# Altium PCB hdu_shape.PcbDoc
Units mil, origin at the board's own origin, x right, y up, seen from the top; angles counter-clockwise.
Board outline 3825 x 1180 mil, 2 copper layers (Top Layer, Bottom Layer); 63 components, 39 nets, 159 pads, 442 vias.
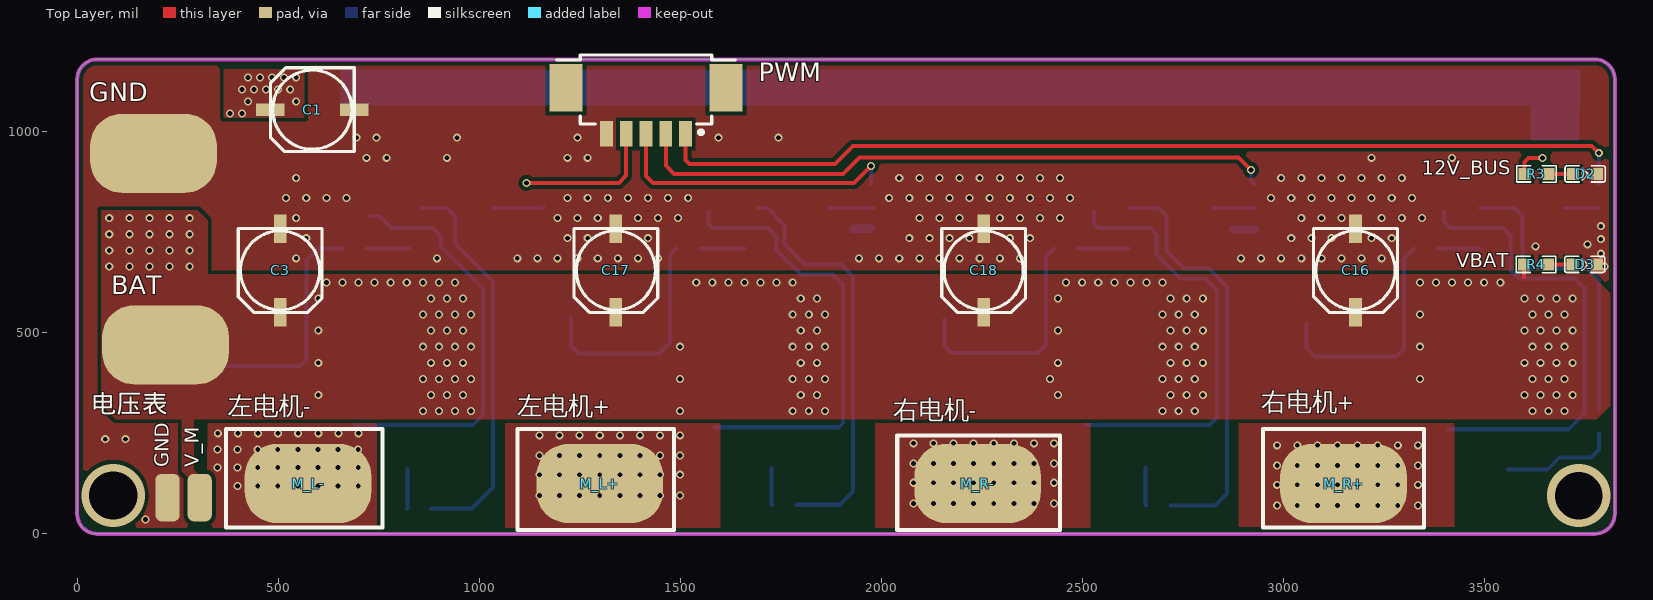
[diagram p0: Top Layer view]
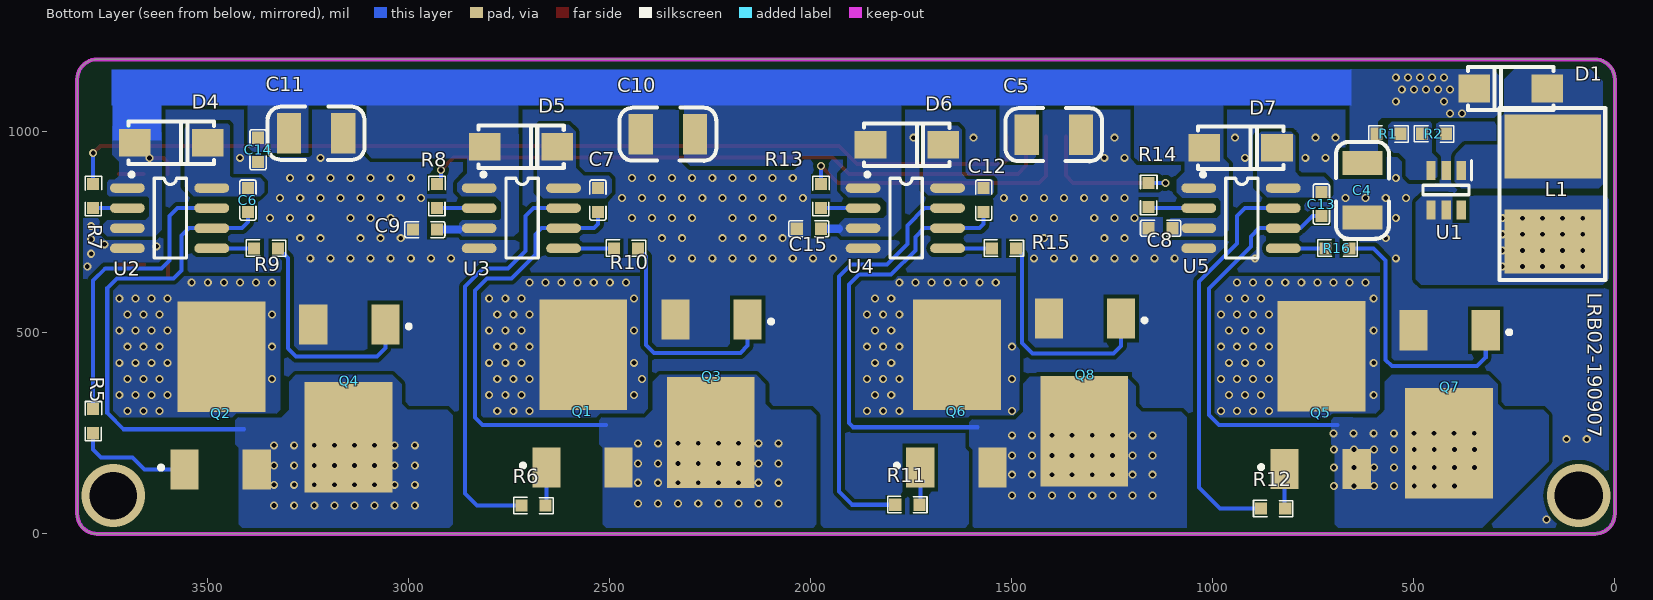
[diagram p1: Bottom Layer view, seen from below]
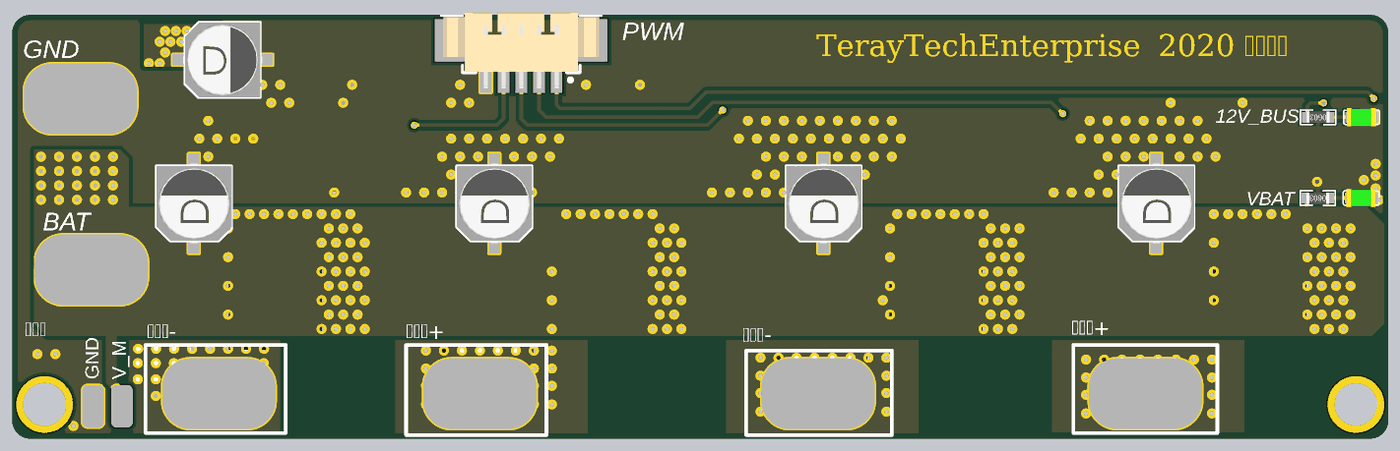
[diagram p2: 3D render of the assembled board from above, using the file's embedded part models]
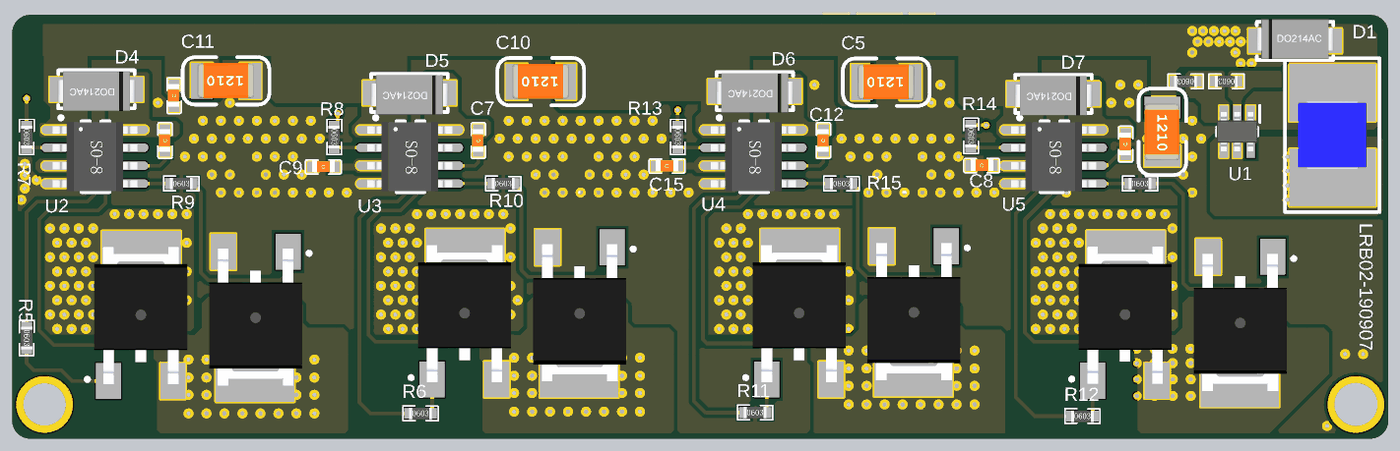
[diagram p3: 3D render of the assembled board from below, using the file's embedded part models]

## Layer stack, top to bottom
Top Solder: solder mask 0.4, Solder Resist, Dk 3.5
Top Layer: signal copper 1.4
Dielectric 1: dielectric 12.6, FR-4, Dk 4.8
Bottom Layer: signal copper 1.4
Bottom Solder: solder mask 0.4, Solder Resist, Dk 3.5

## Board outline
0,50 0,1130 cw(c50,1130) 50,1180 190,1180 2975,1180 3775,1180 cw(c3775,1130) 3825,1130 3825,50 cw(c3775,50) 3775,0 3620,0 225,0 50,0 cw(c50,50)

## Design rules (kind name [scope] priority, off if disabled: settings)
Clearance [All] p1: gap=6 ignorepadtopadclearanceinfootprint=TRUE except(10: Arc-Fill Arc-Poly Arc-Region Track-Fill Track-Poly Track-Region SMDPad-Fill SMDPad-Poly SMDPad-Region THPad-Fill THPad-Poly THPad-Region Via-Fill Via-Poly Via-Region Fill-Fill Fill-Poly Fill-Region Poly-Poly Poly-Region Region-Region)
PlaneConnect [All] p1: planeconnectstyle=Direct reliefexpansion=20 reliefentries=4 reliefconductorwidth=10 reliefairgap=10
PolygonConnect [All] p1: connectstyle=Direct reliefconductorwidth=10 reliefentries=4 polygonreliefangle="90 Angle" airgapwidth=10
RoutingVias [All] p1: holewidth=12 width=20 viastyle="Through Hole" minholewidth=12 minwidth=20 maxholewidth=28 maxwidth=50
SolderMaskExpansion [All] p1: expansion=4
Width [All] p1: maxlimit=1000 minlimit=6 preferedwidth=8
29 further rules are at their usual default settings.

## Classes and differential pairs
component class INTERFACE: PWM
component class BRIDGE: BAT C4 C5 C6 C7 C8 C9 C10 C11 C12 C13 C14 C15 D4 D5 D6 D7 GND M_L+ M_L- M_R+ M_R- Q1 Q2 Q3 Q4 Q5 Q6 Q7 Q8 R5 R6 R7 R8 R9 R10 R11 R12 R13 R14 R15 R16 U2 U3 U4 U5
component class BOOST: C1 C3 C16 C17 C18 D1 D2 D3 GND L1 R1 R2 R3 R4 U1 V_M

## Components (designator, comment, footprint, x,y, rotation, side; value= is the part's Value field where it differs from the comment)
BAT "PAD" PAD_BIG 220,470 r90 top
C1 "1uF" C5X5 585,1055 r0 top
C3 "1uF" C5X5 505,655 r90 top
C4 "1uF" C1210 634.09,860 r270 bottom value=104
C5 "1uF" C1210 1390,998.75 r0 bottom value=104
C6 "1uF" 0603_C 3400,830 r90 bottom value=104
C7 "1uF" 0603_C 2529.48,830 r90 bottom value=104
C8 "1uF" 0603_C 1130,760 r180 bottom value=104
C9 "1uF" 0603_C 2960,756.51 r180 bottom value=104
C10 "1uF" C1210 2350,1000 r0 bottom value=104
C11 "1uF" C1210 3225,1002.24 r0 bottom value=104
C12 "1uF" 0603_C 1570,830 r90 bottom value=104
C13 "1uF" 0603_C 730,820 r90 bottom value=104
C14 "1uF" 0603_C 3375,955 r90 bottom value=104
C15 "1uF" 0603_C 2005,758.75 r180 bottom value=104
C16 "1uF" C5X5 3180,655 r90 top
C17 "1uF" C5X5 1340,655 r90 top
C18 "1uF" C5X5 2255,655 r90 top
D1 "Diode Schottky" DO-214AC 255,1105 r0 bottom
D2 "LED" 0603_LED 3750,895 r0 top
D3 "LED" 0603_LED 3749,670 r0 top
D4 "Diode Schottky" DO-214AC 3595,975 r180 bottom
D5 "Diode Schottky" DO-214AC 2725,965 r180 bottom
D6 "Diode Schottky" DO-214AC 1765,970 r180 bottom
D7 "Diode Schottky" DO-214AC 935,962.5 r180 bottom
GND "PAD" PAD 225,90 r270 top
GND "PAD" PAD_BIG 190,946.22 r90 top
L1 "22uH" "L 5x5" 155,845 r0 bottom
M_L+ "PAD" PAD_BIG 1300,125 r90 top
M_L- "PAD" PAD_BIG 574.42,125 r90 top
M_R+ "PAD" PAD_BIG 3150,125 r90 top
M_R- "PAD" PAD_BIG 2240,125 r90 top
PWM "HEADER-5PIN" HEADER_5P_1.25_RT 1415,1105 r180 top
Q1 "MOSFET N" TO-252AA 2568,305.37 r180 bottom
Q2 "MOSFET N" TO-252AA 3468,300.37 r180 bottom
Q3 "MOSFET N" TO-252AA 2247,392.34 r0 bottom
Q4 "MOSFET N" TO-252AA 3148,380.37 r0 bottom
Q5 "MOSFET N" TO-252AA 732,301.4 r180 bottom
Q6 "MOSFET N" TO-252AA 1638,305.37 r180 bottom
Q7 "MOSFET N" TO-252AA 411,365.73 r0 bottom
Q8 "MOSFET N" TO-252AA 1318,395.37 r0 bottom
R1 "173K" 0603_R 563.45,995 r0 bottom value=1K
R2 "10K" 0603_R 450,995 r0 bottom value=1K
R3 "5K" 0603_R 3630,895 r180 top value=1K
R4 "1K" 0603_R 3629,670 r180 top
R5 "10" 0603_R 3785,280 r270 bottom value=1K
R6 "10" 0603_R 2690,70 r180 bottom value=1K
R7 "0" 0603_R 3785,840 r270 bottom value=1K
R8 "0" 0603_R 2930,840 r270 bottom value=1K
R9 "10" 0603_R 3355,710 r180 bottom value=1K
R10 "10" 0603_R 2460,710 r180 bottom value=1K
R11 "10" 0603_R 1760,72.24 r180 bottom value=1K
R12 "10" 0603_R 850,62.41 r180 bottom value=1K
R13 "0" 0603_R 1975,840 r270 bottom value=1K
R14 "0" 0603_R 1160,842.79 r270 bottom value=1K
R15 "10" 0603_R 1520,710 r180 bottom value=1K
R16 "10" 0603_R 690,710 r180 bottom value=1K
U1 "MT3608" SOT95P280X145-6N 420,855 r270 bottom
U2 "IR2104" SOIC-8 3595,785 r180 bottom
U3 "IR2104" SOIC-8 2720,785 r180 bottom
U4 "IR2104" SOIC-8 1765,785 r180 bottom
U5 "IR2104" SOIC-8 930,785 r180 bottom
V_M "PAD" PAD 305,90 r270 top

## Footprints (in the part's own frame and the unit in brackets; to place one, negate y for a bottom-side part, rotate by r counter-clockwise, add the part's x,y. Pads: shape width x height; smd on the part's side, far side on the other; paste and mask are expansions set on the pad)
0603_C [mil] "Capacitor"
  rect 30x30 smd: 1(-30,0) 2(30,0)
  silkscreen extent -50,-20 50,20, body extent -51,-18 52,21, height 35
0603_LED [mil]
  rect 30x30 smd: 1(-29,0) 2(31,0)
  silkscreen extent -49,-20 51,20, body extent -40,-25 40,25, height 43
0603_R [mil]
  rect 30x30 smd: 1(-30,0) 2(30,0)
  silkscreen extent -49,-20 49,21, body extent -32,-16 31,16, height 18
C5X5 [mm]
  rect 1.8x0.8 smd: 1(-2.65,0) 2(2.65,0)
  silkscreen extent -2.65,-2.65 2.65,2.65, body extent -2.8,-2.67 2.8,2.63, height 5.2
C1210 [mil]
  rect 60x100 smd: 1(-62,6) 2(73,6)
  silkscreen extent -115,-60 126,72, body extent -73,-44 85,54, height 67
DO-214AC [mm]
  rect 2x1.75 smd: 1(-2.195,-0.063) 2(2.405,-0.063)
  silkscreen extent -2.59,-1.41 2.81,1.29, body extent -2.64,-1.59 2.85,1.21, height 2.3
HEADER_5P_1.25_RT [mm]
  rect 0.81x1.6 smd: 1(-2.5,2.8) 2(-1.25,2.8) 3(0,2.8) 4(1.25,2.8) 5(2.5,2.8)
  rect 2.1x3 smd: MP1(-5.05,-0.1) MP2(5.05,-0.1)
  silkscreen extent -5.65,-2.17 5.65,2.82, body extent -5.5,-2.1 5.5,3.3, height 3.4
"L 5x5" [mil]
  rect 240x160 smd: 1(0,118.11) 2(0,-118.11)
  silkscreen extent -131,-214 132,214, body extent -94,-94 95,94, height 110
PAD [mil]
  rrect50% 118.11x60 smd: 1(0,0)
PAD_BIG [mm]
  rrect80% 5x8 smd: 1(0,0)
SOIC-8 [mm]
  oval 2.2x0.6 smd: 1(-2.667,1.905) 2(-2.667,0.635) 3(-2.667,-0.635) 4(-2.667,-1.905) 5(2.667,-1.905) 6(2.667,-0.635) 7(2.667,0.635) 8(2.667,1.905)
  silkscreen extent -2.53,-2.53 1.07,2.88, body extent -3,-2.45 3,2.45, height 1.7
SOT95P280X145-6N [mm]
  rect 1.2x0.6 smd: 1(-1.25,0.95) 2(-1.25,0) 3(-1.25,-0.95) 4(1.25,-0.95) 5(1.25,0) 6(1.25,0.95)
  silkscreen extent -1.85,-1.45 0.3,1.6, body extent -1.4,-1.45 1.4,1.45, height 1.45
TO-252AA [mil]
  rect 70x100 smd: 1(-89.76,-140.37) 3(89.76,-140.37)
  rect 218.5x275.21 smd: 2(2,140.37)
  silkscreen extent -153,-141 -143,-131, body extent -129,-149 130,233, height 91

## Part data
C1 C3 C16 C17 C18: library part CAP1
C4 C5 C6 C7 C8 C9 C10 C11 C12 C13 C14 C15: library part CAP, "Capacitor", LatestRevisionDate=17-Jul-2002, LatestRevisionNote="Re-released for DXP Platform.", PackageReference=RAD-0.3, Published=8-Jun-2000, Publisher="Altium Limited"
D2 D3: "LED 发光二极管"
L1: library part L_Inductance
R1 R2 R3 R4 R5 R6 R7 R8 R9 R10 R11 R12 R13 R14 R15 R16: library part RES, "Resistor", Published=8-Jun-2000, Publisher="Altium Limited", Revision="July-2002: Re-released for DXP Platform."
U1: "Undefined or Miscellaneous", Manufacturer_Name=Aerosemi, Datasheet Link=https://www.olimex.com/Products/Breadboarding/BB-PWR-3608/resources/MT3608.pdf, Height=1.45mm, Manufacturer_Part_Number=MT3608
U2 U3 U4 U5: "半桥驱动器"

## Via types
v1: diameter 20, hole 12, Top Layer to Bottom Layer, 440 vias
v2: diameter 157.48, hole 120, Top Layer to Bottom Layer, 1 vias
v3: diameter 157.48, hole 118.11, Top Layer to Bottom Layer, 1 vias

## Nets (pads, with @x,y where several pads share a name; then routed paths per layer and width w, separated by ;. In a path a pad name is that pad's centre, name@x,y a point inside that pad or via, vN(x,y) a via of type N, cw(c..) or ccw(c..) an arc to the next point about the centre after c; other vN are vias at no path point)
12V: C1.1 C4.1 C5.2 C8.2 C9.2 C10.1 C11.2 C14.2 C15.2 D1.2 D4.1 D5.1 D6.1 D7.1 R1.2 R3.2 U2.1 U2.3 U3.1 U3.3 U4.1 U4.3 U5.1 U5.3 | length 179.1
  Top Layer w10: R3.2 3600,925 3610,935 v1(3645,935)
  Bottom Layer w20: 1930,758.75 C15.2 ; 2875,756.51 C9.2
  other v1: 379.98,1045.27 409.98,1045.27 424.98,1075.27 544.98,1075.27 409.98,1105.27 439.98,1105.27 469.98,1105.27 499.98,1105.27 529.98,1105.27 424.98,1135.27 454.98,1135.27 484.98,1135.27 514.98,1135.27 544.98,1135.27
GND: C1.2 C3.2 C4.2 C5.1 C8.1 C9.1 C10.2 C11.1 C14.1 C15.1 C16.2 C17.2 C18.2 D2.2 D3.2 GND.1 PWM.5 Q3.3 Q4.3 Q7.3 Q8.3 R2.1 U1.2 U2.4 U3.4 U4.4 U5.4
  other v1: 169.98,35.27 69.98,235.27 119.98,235.27 3799.71,665 544.98,685.27 894.98,685.27 1094.98,685.27 1144.98,685.27 1194.98,685.27 1244.98,685.27 1294.98,685.27 1344.98,685.27 1394.98,685.27 1444.98,685.27 1944.98,685.27 1994.98,685.27 2044.98,685.27 2094.98,685.27 2144.98,685.27 2194.98,685.27 2244.98,685.27 2294.98,685.27 2344.98,685.27 2894.98,685.27 2944.98,685.27 2994.98,685.27 3044.98,685.27 3094.98,685.27 3144.98,685.27 3194.98,685.27 3244.98,685.27 3790,696.55 3627.14,715 3757.21,720 3790,732.79 569.98,735.27 1219.98,735.27 1269.98,735.27 1419.98,735.27 2069.98,735.27 2119.98,735.27 2169.98,735.27 2219.98,735.27 2319.98,735.27 2369.98,735.27 3019.98,735.27 3069.98,735.27 3119.98,735.27 3219.98,735.27 3269.98,735.27 3790,765 544.98,785.27 1194.98,785.27 1244.98,785.27 1294.98,785.27 1394.98,785.27 1444.98,785.27 1494.98,785.27 2094.98,785.27 2144.98,785.27 2194.98,785.27 2294.98,785.27 2344.98,785.27 2394.98,785.27 2444.98,785.27 3044.98,785.27 3094.98,785.27 3144.98,785.27 3244.98,785.27 3294.98,785.27 3344.98,785.27 519.98,835.27 569.98,835.27 619.98,835.27 669.98,835.27 1219.98,835.27 1269.98,835.27 1319.98,835.27 1369.98,835.27 1419.98,835.27 1469.98,835.27 1519.98,835.27 2019.98,835.27 2069.98,835.27 2119.98,835.27 2169.98,835.27 2219.98,835.27 2269.98,835.27 2319.98,835.27 2369.98,835.27 2419.98,835.27 2469.98,835.27 2969.98,835.27 3019.98,835.27 3069.98,835.27 3119.98,835.27 3169.98,835.27 3219.98,835.27 3269.98,835.27 3319.98,835.27 544.98,885.27 2044.98,885.27 2094.98,885.27 2144.98,885.27 2194.98,885.27 2244.98,885.27 2294.98,885.27 2344.98,885.27 2394.98,885.27 2444.98,885.27 2994.98,885.27 3044.98,885.27 3094.98,885.27 3144.98,885.27 3194.98,885.27 3244.98,885.27 3294.98,885.27 719.98,935.27 769.98,935.27 919.98,935.27 1219.98,935.27 1269.98,935.27 3219.98,935.27 3419.98,935.27 694.98,985.27 744.98,985.27 944.98,985.27 1244.98,985.27 1594.98,985.27 1744.98,985.27
M_L+: C12.1 M_L+.1 Q6.3 Q8.2 U4.6 | length 1116
  Bottom Layer w10: C12.1 1570,770 1580,760 U4.6 1718.75,760 1740,738.75 1740,705 1800,645 1880,645 1905,620 1905,275 1895,265 1585,265
  other v1: 1150,95 1200,95 1250,95 1300,95 1350,95 1400,95 1450,95 1500,95 1150,146.9 1200,146.9 1250,146.9 1300,146.9 1350,146.9 1400,146.9 1450,146.9 1500,146.9 1150,195 1200,195 1250,195 1300,195 1350,195 1400,195 1450,195 1500,195 1150,245 1200,245 1250,245 1300,245 1350,245 1400,245 1450,245 1500,245
M_L-: C13.1 M_L-.1 Q5.3 Q7.2 U5.6 | length 1014.6
  Bottom Layer w10: 690,270 985,270 1010,295 1010,610 905,715 905,740 885,760 U5.6 782.5,760 752.5,790 C13.1
  other v1: 399.17,118.78 449.17,118.78 499.17,118.78 549.17,118.78 599.17,118.78 649.17,118.78 699.17,118.78 349.17,165 399.17,165 449.17,165 499.17,165 549.17,165 599.17,165 649.17,165 699.17,165 349.17,210 399.17,210 449.17,210 499.17,210 549.17,210 599.17,210 649.17,210 699.17,210 350,250 400,250 450,250 500,250 550,250 600,250 650,250 700,250
M_R+: C6.1 M_R+.1 Q2.3 Q4.2 U2.6 | length 1160.8
  Bottom Layer w10: C6.1 3400,775 3415,760 U2.6 3546.38,760 3565,741.38 3565,655 3585,635 3726.12,635 3750,611.12 3750,300 3710,260 3410.34,260
  other v1: 2985,70 3035,70 3085,70 3135,70 3185,70 3235,70 3285,70 3335,70 2985,121.9 3035,121.9 3085,121.9 3135,121.9 3185,121.9 3235,121.9 3285,121.9 3335,121.9 2985,170 3035,170 3085,170 3135,170 3185,170 3235,170 3285,170 3335,170 2985,220 3035,220 3085,220 3135,220 3185,220 3235,220 3285,220 3335,220
M_R-: C7.1 M_R-.1 Q1.3 Q3.2 U3.6 | length 1082.1
  Bottom Layer w10: 2510,270 2816.22,270 2835,288.78 2835,605 2805,635 2745,635 2685,695 2685,745 2670,760 U3.6 2539.48,760 2529.48,770 C7.1
  other v1: 2080,75 2130,75 2180,75 2230,75 2280,75 2330,75 2380,75 2430,75 2080,126.9 2130,126.9 2180,126.9 2230,126.9 2280,126.9 2330,126.9 2380,126.9 2430,126.9 2080,175 2130,175 2180,175 2230,175 2280,175 2330,175 2380,175 2430,175 2080,225 2130,225 2180,225 2230,225 2280,225 2330,225 2380,225 2430,225
NetC6_2: C6.2 D4.2 U2.8
NetC7_2: C7.2 D5.2 U3.8
NetC12_2: C12.2 D6.2 U4.8
NetC13_2: C13.2 D7.2 U5.8
NetD1_1: D1.1 L1.2 U1.1
NetD2_1: D2.1 R3.1 | length 61
  Top Layer w10: R3.1 D2.1
NetD3_1: D3.1 R4.1 | length 61
  Top Layer w10: R4.1 D3.1
NetQ1_1: Q1.1 R6.2 | length 95.9
  Bottom Layer w10: Q1.1 2657.76,72.24 R6.2
NetQ2_1: Q2.1 R5.2 | length 287.9
  Bottom Layer w10: Q2.1 3657.5,160 3687.5,190 3765,190 3785,210 R5.2
NetQ3_1: Q3.1 R10.2 | length 581.6
  Bottom Layer w10: Q3.1 2157.24,467.76 2175,450 2390,450 2410,470 2410,690 R10.2
NetQ4_1: Q4.1 R9.2 | length 577.4
  Bottom Layer w10: Q4.1 3058.24,461.76 3079.27,440.73 3280,440.73 3300.73,461.46 3300.73,685.73 R9.2
NetQ5_1: Q5.1 R12.2 | length 99.4
  Bottom Layer w10: R12.2 821.76,64.18 Q5.1
NetQ6_1: Q6.1 R11.2 | length 93.7
  Bottom Layer w10: Q6.1 1727.76,74.47 R11.2
NetQ7_1: Q7.1 R16.2 | length 682.1
  Bottom Layer w10: Q7.1 321.24,438.76 343.23,416.77 555,416.77 570,431.77 570,680 600,710 R16.2
NetQ8_1: Q8.1 R15.2 | length 575.7
  Bottom Layer w10: Q8.1 1228.24,466.76 1246.76,448.24 1448.24,448.24 1475,475 1475,695 R15.2
NetR1_1: R1.1 R2.2 U1.3
NetR5_1: R5.1 U2.7 | length 754
  Bottom Layer w10: U2.7 3575,810 3595,790 3595,680 3615,660 3755,660 3785,630 R5.1
NetR6_1: R6.1 U3.7 | length 1044.2
  Bottom Layer w10: U3.7 2690,810 2710,790 2710,702.9 2752.9,660 2815,660 2860,615 2860,100 2830,70 R6.1
NetR7_2: R7.2 U2.2 | length 85
  Bottom Layer w10: U2.2 R7.2
NetR8_2: R8.2 U3.2 | length 105
  Bottom Layer w10: U3.2 R8.2
NetR9_1: R9.1 U2.5 | length 105
  Bottom Layer w10: R9.1 U2.5
NetR10_1: R10.1 U3.5 | length 125
  Bottom Layer w10: R10.1 U3.5
NetR11_1: R11.1 U4.7 | length 1021.1
  Bottom Layer w10: U4.7@1695,810 1717,810 1760,767 1760,720.78 1810.78,670 1900,670 1930,640 1930,105 1897.24,72.24 R11.1
NetR12_1: R12.1 U5.7 | length 984.4
  Bottom Layer w10: U5.7@855,810 920,810 940,790 940,721.93 1035,626.93 1035,115 982.41,62.41 R12.1
NetR13_2: R13.2 U4.2 | length 110
  Bottom Layer w10: U4.2 R13.2@1980,810
NetR14_2: R14.2 U5.2 | length 126.2
  Bottom Layer w10: U5.2 1157.21,810 R14.2
NetR15_1: R15.1 U4.5 | length 110
  Bottom Layer w10: R15.1 U4.5
NetR16_1: R16.1 U5.5 | length 105
  Bottom Layer w10: R16.1 U5.5
PWM_L+: PWM.3 R13.1 | length 728.1
  Top Layer w10: PWM.3@1415,988.5 1415,890 1432.21,872.79 1932.79,872.79 v1(1975,915)
  Bottom Layer w10: R13.1 v1(1975,915)
PWM_L-: PWM.4 R14.1 | length 395.4
  Top Layer w10: v1(1117.79,872.79) 1347.79,872.79 1365.79,890.79 PWM.4@1365.79,988.5
  Bottom Layer w10: v1(1117.79,872.79) R14.1
PWM_R+: PWM.1 R7.1 | length 2437.4
  Top Layer w10: PWM.1@1513.43,988.5 1513.43,930 1523.43,920 1885,920 1930,965 3767.17,965 v1(3785,947.17)
  Bottom Layer w10: R7.1 v1(3785,947.17)
PWM_R-: PWM.2 R8.1 | length 1606.1
  Top Layer w10: PWM.2@1464.21,988.5 1464.21,915.79 1485,895 1905,895 1946,936 2889,936 v1(2920,905)
  Bottom Layer w10: v1(2920,905) 2920,880 R8.1
VBAT: BAT.1 C3.1 C16.1 C17.1 C18.1 L1.1 Q1.2 Q2.2 Q5.2 Q6.2 R4.2 U1.4 U1.5 V_M.1 | length 31
  Top Layer w10: 3599,639 R4.2
  other v1: 859.98,305.27 899.98,305.27 939.98,305.27 979.98,305.27 1499.98,305.27 1779.98,305.27 1819.98,305.27 1859.98,305.27 2699.98,305.27 2739.98,305.27 2779.98,305.27 3619.98,305.27 3659.98,305.27 3699.98,305.27 599.98,345.27 879.98,345.27 919.98,345.27 959.98,345.27 1799.98,345.27 1839.98,345.27 2439.98,345.27 2719.98,345.27 2759.98,345.27 2799.98,345.27 3599.98,345.27 3639.98,345.27 3679.98,345.27 3719.98,345.27 859.98,385.27 899.98,385.27 939.98,385.27 979.98,385.27 1499.98,385.27 1779.98,385.27 1819.98,385.27 1859.98,385.27 2419.98,385.27 2699.98,385.27 2739.98,385.27 2779.98,385.27 3339.98,385.27 3619.98,385.27 3659.98,385.27 3699.98,385.27 599.98,425.27 879.98,425.27 919.98,425.27 959.98,425.27 1799.98,425.27 1839.98,425.27 2439.98,425.27 2719.98,425.27 2759.98,425.27 2799.98,425.27 3599.98,425.27 3639.98,425.27 3679.98,425.27 3719.98,425.27 859.98,465.27 899.98,465.27 939.98,465.27 979.98,465.27 1499.98,465.27 1779.98,465.27 1819.98,465.27 1859.98,465.27 2699.98,465.27 2739.98,465.27 2779.98,465.27 3339.98,465.27 3619.98,465.27 3659.98,465.27 3699.98,465.27 599.98,505.27 879.98,505.27 919.98,505.27 959.98,505.27 1799.98,505.27 1839.98,505.27 2439.98,505.27 2719.98,505.27 2759.98,505.27 2799.98,505.27 3599.98,505.27 3639.98,505.27 3679.98,505.27 3719.98,505.27 859.98,545.27 899.98,545.27 939.98,545.27 979.98,545.27 1779.98,545.27 1819.98,545.27 1859.98,545.27 2699.98,545.27 2739.98,545.27 2779.98,545.27 3339.98,545.27 3619.98,545.27 3659.98,545.27 3699.98,545.27 599.98,585.27 879.98,585.27 919.98,585.27 959.98,585.27 1799.98,585.27 1839.98,585.27 2439.98,585.27 2719.98,585.27 2759.98,585.27 2799.98,585.27 3599.98,585.27 3639.98,585.27 3679.98,585.27 3719.98,585.27 619.98,625.27 659.98,625.27 699.98,625.27 739.98,625.27 779.98,625.27 819.98,625.27 859.98,625.27 899.98,625.27 939.98,625.27 1539.98,625.27 1579.98,625.27 1619.98,625.27 1659.98,625.27 1699.98,625.27 1739.98,625.27 1779.98,625.27 2459.98,625.27 2499.98,625.27 2539.98,625.27 2579.98,625.27 2619.98,625.27 2659.98,625.27 2699.98,625.27 3339.98,625.27 3379.98,625.27 3419.98,625.27 3459.98,625.27 3499.98,625.27 3539.98,625.27 80,665 130,665 180,665 230,665 280,665 80,705 130,705 180,705 230,705 280,705 80,745 130,745 180,745 230,745 280,745 80,785 130,785 180,785 230,785 280,785
pads on no net: PWM.MP1 PWM.MP2 U1.6
copper on no net:
  other v2: 90,95
  other v3: 3735,95

## Polygon pours and split planes (outlines as drawn)
GND on Top Layer "Top Layer-GND" (solid, remove dead copper, pour order 108): 3845,1230 3852,39.8 3787,-25.2 52,-25.2 -63,89.8 -8,144.8 -8,1139.8 120,1230
M_L+ on Top Layer "Top Layer-M_L+" (solid, pour order 144): 1065,300 1600,300 1600,10 1065,10
M_R+ on Top Layer "Top Layer-M_R+" (solid, pour order 148): 2890,307.92 3425,307.92 3425,17.92 2890,17.92
M_R- on Top Layer "Top Layer-M_R-" (solid, pour order 146): 1985,297.92 2520,297.92 2520,7.92 1985,7.92
VBAT on Top Layer "Top Layer-VBAT 2" (solid, pour order 142): 309.85,140 290,159.85 290,295 275,310 260,310 260,155 280.94,134.06 290,134.06
M_L- on Top Layer "Top Layer-M_L-" (solid, pour order 140): 325,300 745,300 745,10 322.49,10 322.49,20
12V on Top Layer "Top Layer-12V" (solid, pour order 136): 365,1155 365,1035 565,1035 565,1155
VBAT on Top Layer "Top Layer-VBAT" (solid, pour order 112): 325,630 325,780 300,805 60,805 60,545 299.71,545 319.98,565.27
VBAT on Top Layer "Top Layer-VBAT 1" (solid, pour order 90): 60,610 60,320 95,285 3780.21,285 3815,319.79 3815,597.31 3767.31,645 95,645
no net on Top Layer "Top Layer-No Net" (solid, pour order 32): 360,-175
GND on Bottom Layer "Bottom Layer-GND" (solid, remove dead copper, pour order 92): 75,1235 -45,1115 -45,10 55,-90 75,-70 3845,-70 3990,75 3915,150 3915,1225
M_L+ on Bottom Layer "Bottom Layer-M_R-" (solid, pour order 124): 1605.85,217.75 1596.89,208.78 1596.89,18.78 1571.89,-6.22 1086.22,-6.22 1065,15 1065,290 1078.78,303.78 1176.89,303.78 1191.89,318.78 1191.89,366.89 1215,390 1455,390 1471.89,373.11 1471.89,303.78 1491.89,283.78 1605.85,285
VBAT on Bottom Layer "Bottom Layer-VBAT" (solid, pour order 134): 3320,640 3745,640 3745,290 3320,290
VBAT on Bottom Layer "Bottom Layer-VBAT 1" (solid, pour order 132): 2405,640 2830,640 2830,290 2405,290
VBAT on Bottom Layer "Bottom Layer-VBAT 2" (solid, pour order 130): 1480,640 1905,640 1905,290 1480,290
M_R+ on Bottom Layer "Bottom Layer-M_R-" (solid, pour order 128): 3431.8,222.75 3422.84,213.78 3422.84,23.78 3397.84,-1.22 2912.16,-1.22 2890.95,20 2890.95,295 2904.73,308.78 3002.84,308.78 3017.84,323.78 3017.84,371.89 3040.95,395 3280.95,395 3297.84,378.11 3297.84,308.78 3317.84,288.78 3431.8,290
M_R- on Bottom Layer "Bottom Layer-M_R-" (solid, pour order 126): 2526.8,222.75 2517.84,213.78 2517.84,23.78 2492.84,-1.22 2007.16,-1.22 1985.95,20 1985.95,295 1999.73,308.78 2097.84,308.78 2112.84,323.78 2112.84,371.89 2135.95,395 2375.95,395 2392.84,378.11 2392.84,308.78 2412.84,288.78 2526.8,290
VBAT on Bottom Layer "Bottom Layer-VBAT 3" (solid, pour order 122): 585,640 1010,640 1010,290 585,290
M_L- on Bottom Layer "Bottom Layer-M_R-" (solid, pour order 48): 705.85,222.75 696.89,213.78 696.89,23.78 671.89,-1.22 346.22,-1.22 165,180 165,295 178.78,308.78 276.89,308.78 291.89,323.78 291.89,371.89 315,395 555,395 571.89,378.11 571.89,308.78 591.89,288.78 705.85,290
NetD1_1 on Bottom Layer "Bottom Layer-NetD1_1" (solid, pour order 120): 372.56,967.5 400.41,939.65 400.41,877.91 382.5,860 40,860 30,870 30,960.36 37.15,967.5
VBAT on Bottom Layer "Bottom Layer-VBAT 4" (solid, pour order 118): 30,841.25 478.75,841.25 495,825 495,633.24 481.76,620 30,620 15,635 15,831.25 25,841.25
NetR1_1 on Bottom Layer "Bottom Layer-NetR1_1" (solid, pour order 116): 460,1025 455,1020 455,947.15 440,932.15 440,890 450,880 510,880 520,890 520,930 537.17,947.17 550.62,947.17 563.45,960 563.45,1016.55 555,1025
NetD1_1 on Bottom Layer "Bottom Layer-NetD1_1 1" (solid, pour order 114): 30,935 30,1125 60,1155 250.78,1155 285,1120.78 285,960 265,940
12V on Bottom Layer "Bottom Layer-12V" (solid, pour order 106): 1440,1075 1440,937.5 1451.25,926.25 1520.47,926.25 1530.24,936.02 1530.24,1075
12V on Bottom Layer "Bottom Layer-12V 2" (solid, remove dead copper, pour order 102): 2727.16,1080 2727.16,946.59 2740,933.75 3091.58,933.75 3105,947.17 3105,1080
12V on Bottom Layer "Bottom Layer-12V 3" (solid, pour order 100): 1775,1075 2315,1075 2315,930 2300,915 2045,915 2020,940 1890,940 1885,945 1875,935 1775,935
12V on Bottom Layer "Bottom Layer-12V 4" (solid, pour order 96): 974.09,1070 1195,1070 1195,937.05 1184.2,926.25 981.93,926.25 974.09,934.09
12V on Bottom Layer "Bottom Layer-12V 8" (solid, pour order 66): 660,935.15 590,935.15 590,1025 580,1035 300,1035 285,1050 285,1136.55 303.45,1155 660,1155
12V on Bottom Layer "Bottom Layer-12V 1" (solid, pour order 104): 3250,947.17 3384.67,947.17 3400,962.5 3400,1075 3250,1075
no net on Bottom Layer "Bottom Layer-No Net" (solid, pour order 94): 635,1155
NetC13_2 on Bottom Layer "Bottom Layer-NetC10_2" (solid, pour order 88): 890,862.5 865,837.5 717.5,837.5 710,845 710,875 723.56,888.56 783.56,888.56 795,900 795,990 805,1000 880,1000 890,990
NetC12_2 on Bottom Layer "Bottom Layer-NetC9_2" (solid, pour order 86): 1707.5,842.5 1552.5,842.5 1545,850 1545,877.11 1550,882.11 1612.11,882.11 1625,895 1625,1005 1635,1015 1713.92,1015 1720,1008.92 1720,855
12V on Bottom Layer "Bottom Layer-12V 5" (solid, pour order 82): 2845,1007.24 2855,997.24 2855,897.11 2880,872.11 2880,851.38 2868.62,840 2785,840 2770,825 2770,785 2775,780 2870,780 2875,775 2875,765 2875,748.02 2866.98,740 2738.75,740 2727.05,751.7 2727.05,994.29 2740,1007.24
NetC7_2 on Bottom Layer "Bottom Layer-NetC4_2" (solid, pour order 80): 2665,835 2510,835 2495,850 2495,882.11 2502.89,890 2565,890 2585,910 2585,1000 2602.5,1017.5 2672.5,1017.5 2680,1010 2680,850
12V on Bottom Layer "Bottom Layer-12V 6" (solid, pour order 78): 1930,770 1930,747.5 1922.5,740 1795,740 1775,760 1775,1004.22 1785.78,1015 1897.83,1015 1910,1002.83 1910,910 1925,895 1925,855 1907.5,837.5 1824.91,837.5 1811,823.59 1811,794 1820,785 1915,785
12V on Bottom Layer "Bottom Layer-12V 7" (solid, pour order 76): 1110,740 975,740 960,755 960,920 974.09,934.09 974.09,995 984.09,1005 1057.5,1005 1070,992.5 1070,900 1090,880 1090,850 1075.58,835.58 988,835.58 980,827.59 980,795 990,785 1105,785 1110,780
12V on Bottom Layer "Bottom Layer-12V 9" (solid, pour order 56): 3750,740 3631.04,740 3615,756.04 3615,997.5 3637.5,1020 3731.12,1020 3737.5,1013.62 3737.5,942.5 3720,925 3720,891.04 3731.04,880 3745,880 3750,875 3750,845 3745,840 3650,840 3645,835 3645,790 3655,780 3750,780 3760,770 3760,750
no net on Bottom Layer "Bottom Layer-No Net 1" (solid, pour order 54): 3735.52,785
NetC6_2 on Bottom Layer "Bottom Layer-NetC3_2" (solid, pour order 52): 3370,840 3535,840 3557.76,862.76 3557.76,1007.24 3545,1020 3450,1020 3445,1015 3445,891.04 3438.96,885 3370,885 3360,875 3360,850

## Keep-outs
Keep-Out Layer:
  lines w10: 0,50 ccw(c50,50) 50,0 225,0 3620,0 3775,0 ccw(c3775,50) 3825,50 3825,185 3825,1045 3825,1130 ccw(c3775,1130) 3775,1180 3680,1180 2975,1180 190,1180 50,1180 ccw(c50,1130) 0,1130 0,1020 0,205 0,50

## Other copper
Bottom Layer:
  rectangle net 12V: 3615,978.06 3737.5,1075
  rectangle net 12V: 655,1065 3740,1155

## Silkscreen, mask and mechanical layers (free items; w line width, h text height)
Top Overlay:
  lines w10: 370,15.68 370,260.68 760,260.68 760,15.68 370,15.68 ; 1095,10 1485,10 1485,260.68 1095,260.68 1095,10 ; 2040,10 2444.98,10 2444.98,245 2040,245 2040,10 ; 2950,15.68 3350,15.68 3350,260.68 2950,260.68 2950,15.68
  text "12V_BUS" at 3345,880 h60
  text "VBAT" at 3430,650 h60
  text "右电机+" at 2945,290 h80
  text "电压表" at 35,285 h80
  text "左电机-" at 375,280 h80
  text "左电机+" at 1095,280 h80
  text "右电机-" at 2030,270 h80
Bottom Overlay:
  text "LRB02-190907" at 80,600 h60 r90
Top Solder:
  text "TerayTechEnterprise" at 2235,1065 h120
  text "2020 杭电信工" at 3185,1065 h120